# KiCad board Sandy_Base.kicad_pcb (continued)
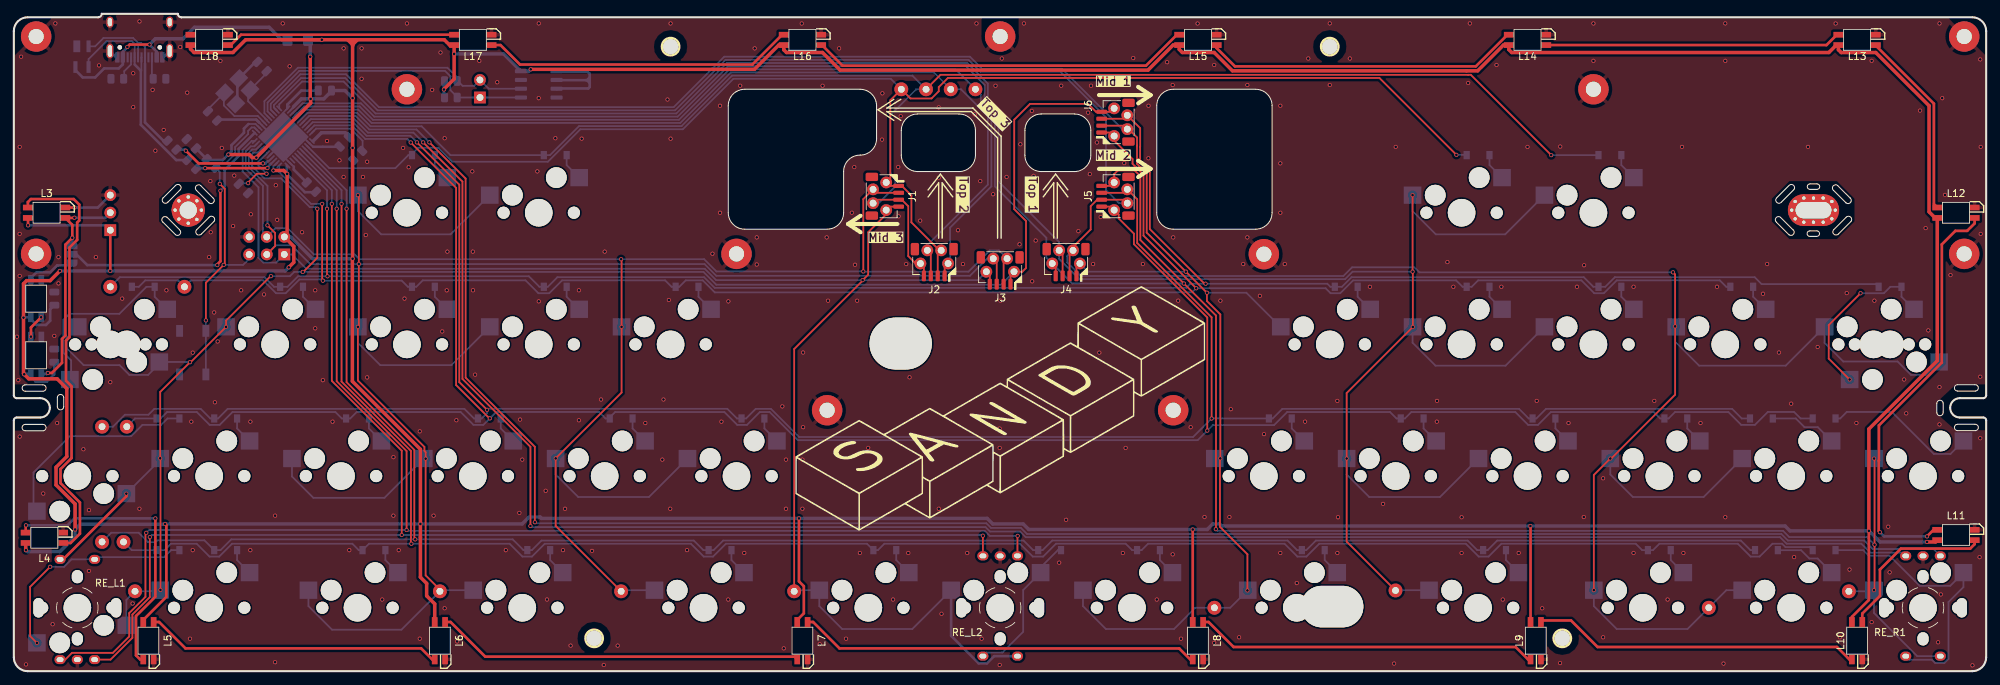
[diagram p0: board, top side]
## Routing (per net, layer and track width the routed paths; a pad name or vN(x,y) marks a point on that pad's centre or on a via; arc(x,y) is an arc through that point) (continued)
SCL: length 44
  Bottom w0.254: U2.6 68.62,84.26 J9.2 66.5,84.68 64.84,84.68 64.15,85.37 64.15,85.8 62.65,87.3 41.05,87.3 36.21,82.46 36.21,80.74 U1.18
SDA: length 43.4
  Bottom w0.254: U1.19 36.66,80.99 36.66,82.27 41.24,86.84 62.31,86.84 63.08,86.07 63.08,84.06 64.15,82.99 J9.1 U2.5
Net-(D1-A): length 4
  Bottom w0.254: D1.2 60.83,73.22 SW_W1.2
Net-(D2-A): length 4
  Bottom w0.254: SW_E1.2 79.88,73.22 D2.2
Net-(D3-A): length 4
  Bottom w0.254: SW_I1.2 213.23,73.22 D3.2
Net-(D4-A): length 4
  Bottom w0.254: D4.2 232.28,73.22 SW_O1.2
Net-(D5-A): length 28.3
  Bottom w0.254: SW_CTL1.5u1.2 8.28,42.38 8.28,44.96 7.15,46.09 7.15,50.8 8.05,51.7 15.25,51.7 19.16,55.61 D5.2 20.35,54.17 SW_CTL1.25u1.2
Net-(D6-A): length 4
  Bottom w0.254: SW_A1.2 41.78,54.17 D6.2
Net-(D7-A): length 4
  Bottom w0.254: D7.2 60.83,54.17 SW_S1.2
Net-(D8-A): length 4
  Bottom w0.254: SW_D1.2 79.88,54.17 D8.2
Net-(D9-A): length 4
  Bottom w0.254: SW_F1.2 98.93,54.17 D9.2
Net-(D10-A): length 4
  Bottom w0.254: SW_J1.2 194.18,54.17 D10.2
Net-(D11-A): length 4
  Bottom w0.254: D11.2 213.23,54.17 SW_K1.2
Net-(D12-A): length 4
  Bottom w0.254: D12.2 232.28,54.17 SW_L1.2
Net-(D13-A): length 4
  Bottom w0.254: D13.2 251.33,54.17 SW_;1.2
Net-(D14-A): length 25.9
  Top w0.254: v1(266.85,54.68) 262.25,50.08 262.25,45.22 v1(265.27,42.19)
  Bottom w0.254: v1(266.85,54.68) 270.23,54.68 271.16,55.61 D14.2 272.76,54.17 SW_ENT1.25u1.2
Net-(D15-A): length 30.1
  Bottom w0.254: SW_LSFT1u1.2 2.84,23.63 2.84,28.74 8.1,34 16.95,34 18.58,35.63 21.28,35.63 22.21,36.56 D15.2
Net-(D16-A): length 4
  Bottom w0.254: D16.2 32.26,35.12 SW_LSFT1u2.2
Net-(D17-A): length 4
  Bottom w0.254: D17.2 51.31,35.12 SW_Z1.2
Net-(D18-A): length 4
  Bottom w0.254: SW_X1.2 70.36,35.12 D18.2
Net-(D19-A): length 4
  Bottom w0.254: D19.2 89.41,35.12 SW_C1.2
Net-(D20-A): length 4
  Bottom w0.254: SW_V1.2 108.46,35.12 D20.2
Net-(D21-A): length 4
  Bottom w0.254: SW_N1.2 184.66,35.12 D21.2
Net-(D22-A): length 4
  Bottom w0.254: SW_M1.2 203.71,35.12 D22.2
Net-(D23-A): length 4
  Bottom w0.254: D23.2 222.76,35.12 SW_<1.2
Net-(D24-A): length 4
  Bottom w0.254: SW_>1.2 241.81,35.12 D24.2
Net-(D25-A): length 9.8
  Bottom w0.254: D25.2 257.49,36.56 258.75,35.3 260.67,35.3 SW_UP1.2
Net-(D26-A): length 22.2
  Bottom w0.254: SW_Fn1u1.2 279.84,31.43 277.43,31.43 271.36,37.5 264.85,37.5 263.91,36.56 D26.2
Net-(D28-A): length 4
  Bottom w0.254: SW_L2-1u1.2 32.26,16.07 D28.2
Net-(D29-A): length 4
  Bottom w0.254: SW_LWIN1.25u1.2 53.69,16.07 D29.2
Net-(D30-A): length 4
  Bottom w0.254: SW_LALT1.25u1.2 77.5,16.07 D30.2
Net-(D31-A): length 4
  Bottom w0.254: SW_LSPC1.5u1.2 103.69,16.07 D31.2
Net-(D35-A): length 4
  Bottom w0.254: D35.2 189.42,16.07 SW_RSPC1.5u1.2
Net-(D36-A): length 4
  Bottom w0.254: SW_RALT1.25u1.2 215.61,16.07 D36.2
Net-(D37-A): length 4
  Bottom w0.254: SW_ROPT1.25u1.2 239.43,16.07 D37.2
Net-(D38-A): length 9.1
  Bottom w0.254: SW_DOWN1.2 262.67,14.28 260.65,16.3 259.45,16.3 258.25,17.5 254.91,17.5 D38.2
Net-(D99-I/O1): length 26.5
  Bottom w0.254: 18.95,88.86 18.95,90.35 18.4,90.9 17.95,90.9 ; J7.B6 18.95,87.9 ; D99.2 11.75,90.4 12.95,91.6 17.25,91.6 17.95,90.9 ; 17.95,88.86 17.95,90.9
  Bottom w0.381: 18.95,87.9 18.95,79.4 21.6,76.75 R3.2
Net-(D99-I/O2): length 31.8
  Bottom w0.254: 18.35,86.87 18.43,86.95 18.43,88.78 J7.A7 ; J7.B7 17.45,87.77 ; D99.3 10.8,88.55 13.39,91.14 17.06,91.14 17.45,90.75 17.45,88.86
  Bottom w0.381: 17.45,87.77 18.35,86.87 18.35,79.05 23.46,73.95 R4.2
Net-(J7-CC1): length 3.5
  Bottom w0.254: 16.93,88.83 16.93,87.78 15.95,86.8 15.95,85.7
Net-(J7-CC2): length 3.2
  Bottom w0.254: 20.05,85.7 20.05,86.16 19.95,86.26 19.95,88.86
Net-(J10-Pin_2): length 33.6
  Top w0.381: v1(8.76,65.6) 8.73,65.57 L3.4 8.45,64.56 v1(8.45,62.7) 7.45,61.7 7.45,48.55 6.96,48.06 6.96,44.61 5.49,43.14 v1(4.91,43.14)
  Bottom w0.381: L2.2 4.77,43 v1(4.91,43.14) ; J10.2 13.2,65.6 v1(8.76,65.6) ; JP1.3 v1(8.45,62.7)
Net-(JP1-A): length 7.2
  Bottom w0.381: JP1.1 8.15,58.7 6.25,58.7 5.26,57.71 3.28,57.71 2.47,56.91 L1.4
Net-(L1-DOUT): length 3.4
  Top w0.381: v1(3.95,51.2) 2.47,49.72 v1(2.47,48.4)
Net-(L3-DOUT): length 62.3
  Top w0.381: L3.2 2.03,67.87 2.47,68.3 8.65,68.3 9.45,67.5 9.45,65.2 9.15,64.9 9.15,62.4 8.03,61.28 8.03,48.31 7.54,47.82 7.54,42.01 8.34,41.21 8.34,30.84 6.74,29.23 6.74,27.21 9.55,24.4 9.55,19.89 8.21,18.55 L4.4
Net-(L4-DOUT): length 42.4
  Top w0.381: L5.4 18.24,1.71 17.65,2.3 17.65,7.98 20.45,10.78 v1(20.45,22.1) ; v1(1.75,21.1) 1.71,21.06 L4.2
  Bottom w0.381: v1(20.45,22.1) 8.74,22.1 7.74,21.1 v1(1.75,21.1)
Net-(L5-DOUT): length 42.8
  Top w0.381: L5.2 20.99,7.11 24.8,3.3 58.85,3.3 60.44,1.71 L6.4
Net-(L6-DOUT): length 53.1
  Top w0.381: L6.2 63.1,7.11 68.12,2.1 112.81,2.1 L7.4
Net-(L7-DOUT): length 57.9
  Top w0.381: L7.2 115.49,7.11 119.3,3.3 142,3.3 142.01,3.28 168.4,3.28 169.97,1.71 L8.4
Net-(L8-DOUT): length 49.6
  Top w0.381: L8.2 172.64,7.11 176.25,3.5 217,3.5 218.79,1.71 L9.4
Net-(L10-DIN): length 47.4
  Top w0.381: L10.4 265.22,1.71 263.44,3.5 228.85,3.5 225.01,7.34 220.89,7.34 L9.2
Net-(L10-DOUT): length 24.4
  Top w0.381: L11.4 283.34,18.37 282.7,17.73 272.68,17.73 269.65,14.7 269.65,10.88 267.1,8.33 L10.2
Net-(L11-DOUT): length 61.2
  Top w0.381: v1(269.65,20.1) 269.48,20.27 269.48,30.46 269.5,30.49 269.5,35.55 278.59,44.64 278.59,61.74 280.55,63.7 282.25,63.7 283.34,64.78 L12.4 ; v1(276.45,19.5) 277.4,20.45 L11.2
  Bottom w0.381: v1(269.65,20.1) 270.25,19.5 v1(276.45,19.5)
Net-(L12-DOUT): length 27.2
  Top w0.381: L13.4 269.05,90.5 277.45,82.1 277.45,67.56 L12.2
Net-(L13-DOUT): length 42.8
  Top w0.381: L14.4 261.93,90.58 263.43,92.08 L13.2
Net-(L14-DOUT): length 45.6
  Top w0.381: L14.2 215.83,92.08 211.25,87.5 176.45,87.5 173.8,90.15 L15.4
Net-(L15-DOUT): length 54.8
  Top w0.381: L15.2 168.07,92.08 163.59,87.6 119.75,87.6 116.77,90.58 L16.4
Net-(L16-DOUT): length 45.2
  Top w0.381: L16.2 111.03,92.08 106.71,87.76 73.14,87.76 70.32,90.58 L17.4
Net-(L17-DOUT): length 33.3
  Top w0.381: L18.4 31.34,90.58 32.84,92.08 L17.2
Net-(U1-UCAP): length 8.7
  Top w0.254: v1(36.51,71.96) 35.11,71.96 33.85,70.7 v1(33.85,70.6)
  Bottom w0.254: v1(36.51,71.96) 35.32,73.16 35.32,73.68 36.58,74.93 U1.6 ; 32.44,70.57 33.82,70.57 v1(33.85,70.6)
Net-(U1-XTAL1): length 9.4
  Bottom w0.254: U1.17 36.58,79.72 33.85,82.45 33.85,83.83 Y1.1 36.59,86.58 36.59,86.74
Net-(U1-XTAL2): length 12.5
  Bottom w0.254: U1.16 36.23,79.33 35.24,80.32 31.87,80.32 30.35,81.84 30.35,83.59 Y1.3 27.98,81.22 27.98,81.06
Net-(U1-~{HWB}/PE2): length 9.7
  Bottom w0.254: U1.33 43.68,78.5 48.64,78.5 50.4,76.74 50.4,75.33

## Copper pours and planes (outline as drawn; the poured copper is in the pictures)
GND on Top, Bottom: 285.4,-0.35 -0.35,-0.35 -0.35,94.9 285.4,94.9

## Text on the board
B.Silkscreen: 1.25u | 1.5u | Mid 3 | Mid 1 | Mid 2 | Top 2 | Top 3 | Top 1 | JLCJLCJLCJLC | #Sandy_kbd DN0030, Base / by @jpskenn / https://github.com/jpskenn/Sandy | Back Side | × | Fairness, Justice, Rightness
User.Eco1: KEEP AWAY / from / CUT LINE | ResetSW
User.Eco2: to Mid | to Top
F.Silkscreen: Top 2 | Top 1 | Top 3 | Mid 3 | Mid 1 | Mid 2
